# KiCad board pi50.kicad_pcb
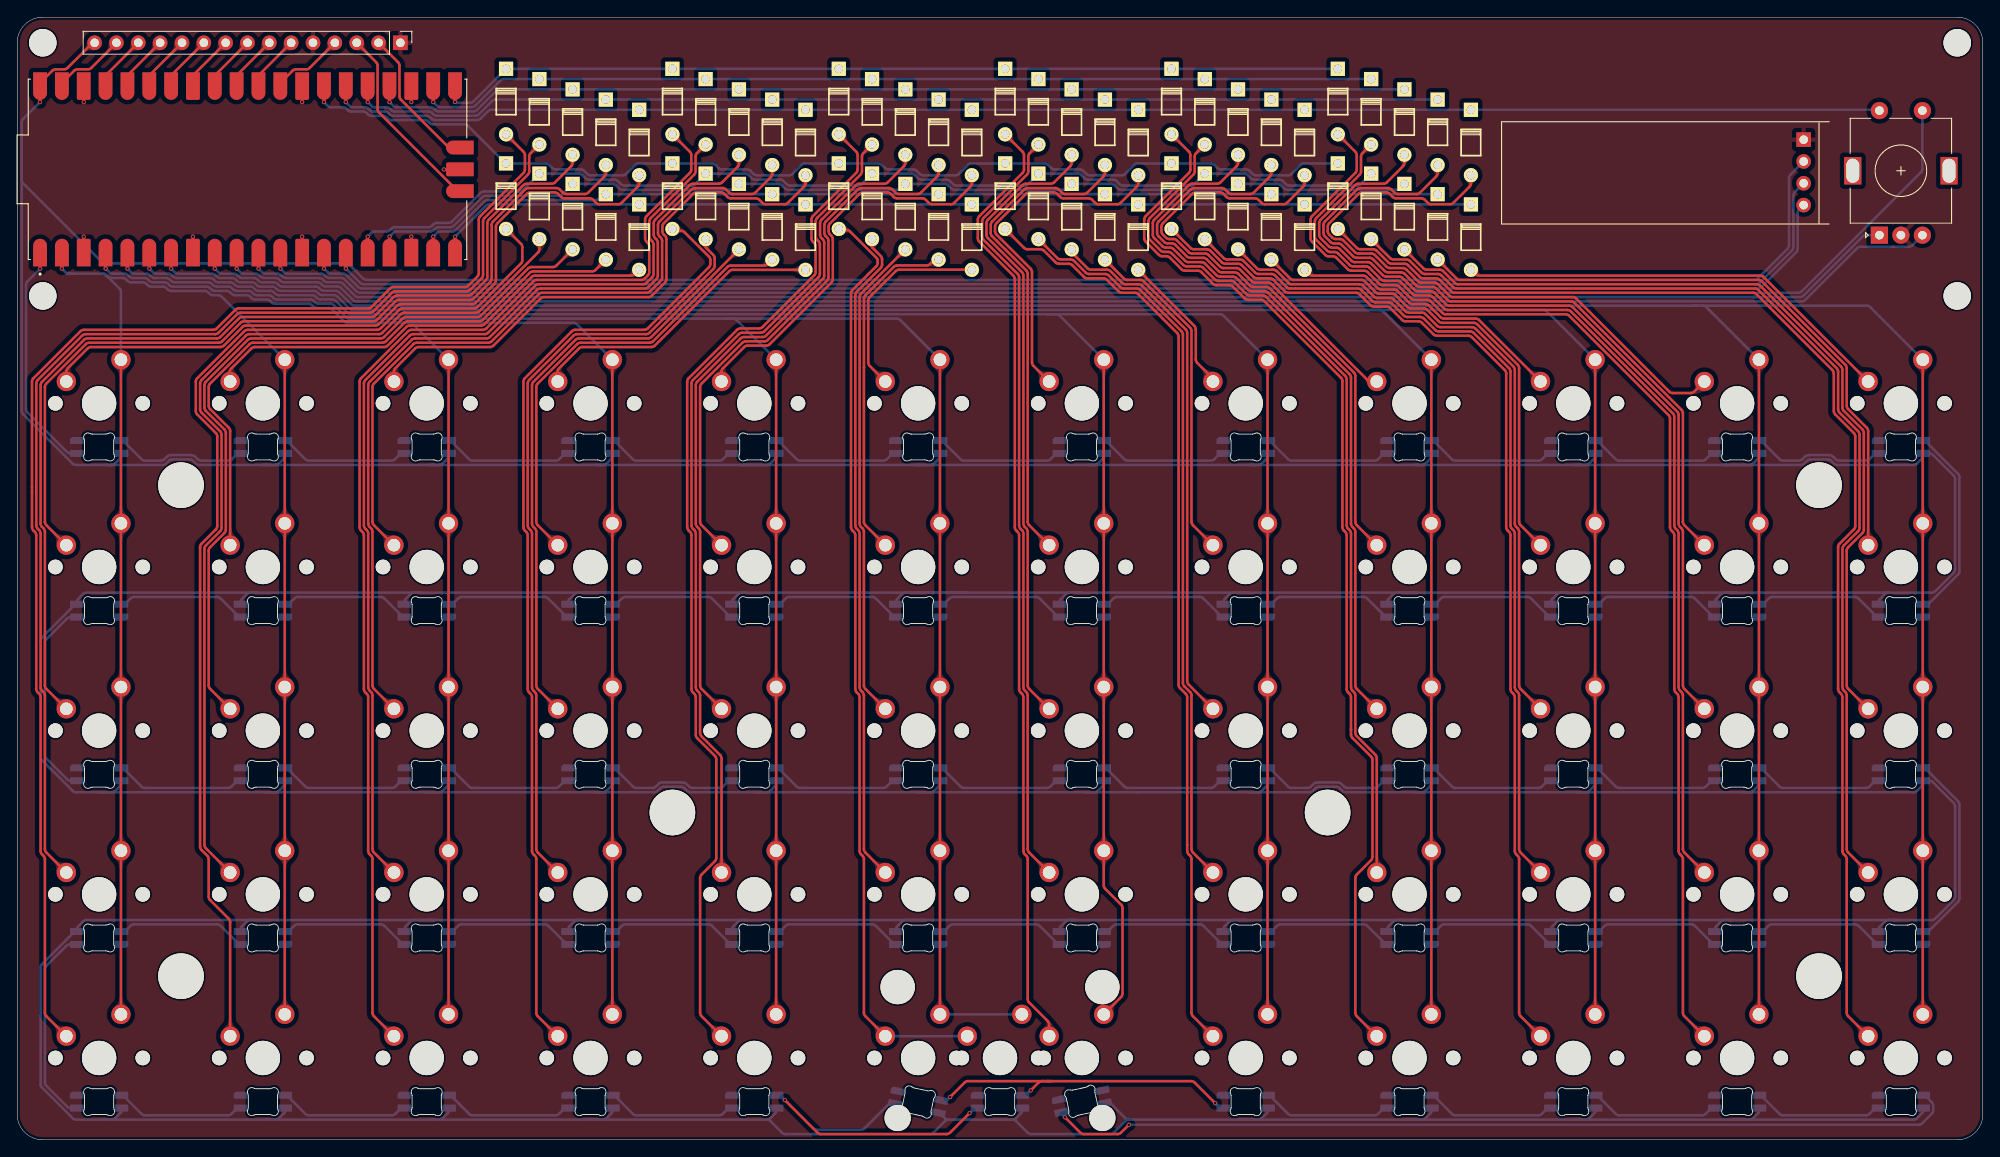
[diagram p0: board, top side]
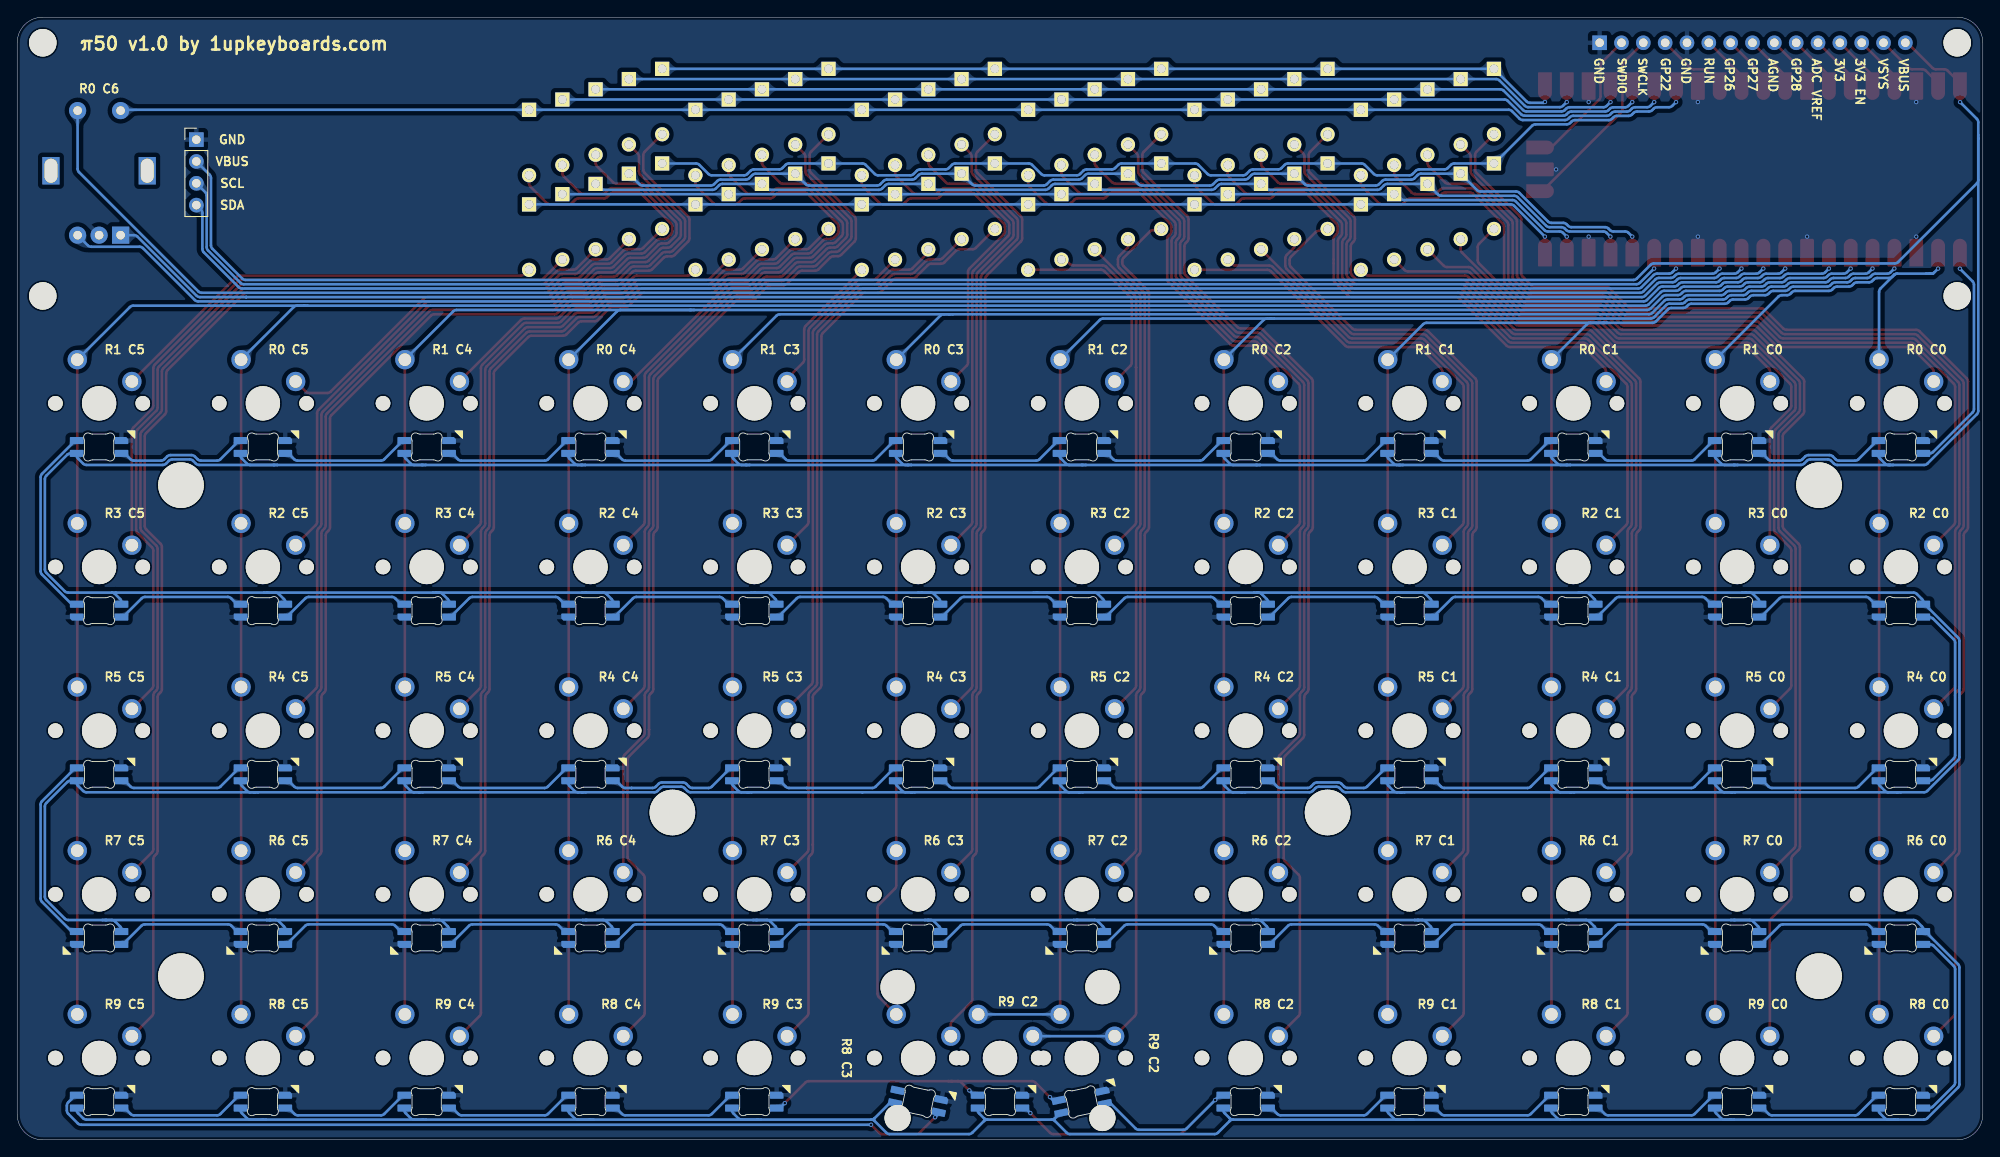
[diagram p1: board, bottom side, seen from below]

Outline 228.6 x 130.67 mm; copper layers: Top (plane), Bottom (plane). Coordinates in mm from the lower left corner of the outline.
Outline path: 0,127.69 arc(0.87,129.8) 2.98,130.67 225.62,130.67 arc(227.73,129.8) 228.6,127.69 228.6,2.98 arc(227.73,0.87) 225.62,0 2.98,0 arc(0.87,0.87) 0,2.98 0,127.69
Stack: Top 0.035mm / dielectric 1.51mm FR4 er 4.5 / Bottom 0.035mm

## Placement (name value [footprint] x y rotation side)
D1  D  [Diode No Label]  72.33 116.09 90 top
D2  D  [Diode No Label]  91.68 116.09 90 top
D3  D  [Diode No Label]  111.03 116.09 90 top
D4  D  [Diode No Label]  130.37 116.09 90 top
D5  D  [Diode No Label]  149.72 116.09 90 top
D6  D  [Diode No Label]  169.07 116.09 90 top
D7  D  [Diode No Label]  72.33 105.07 90 top
D8  D  [Diode No Label]  91.68 105.07 90 top
D9  D  [Diode No Label]  111.03 105.07 90 top
D10  D  [Diode No Label]  130.37 105.07 90 top
D11  D  [Diode No Label]  149.72 105.07 90 top
D12  D  [Diode No Label]  169.07 105.07 90 top
D13  D  [Diode No Label]  68.46 117.28 90 top
D14  D  [Diode No Label]  87.81 117.28 90 top
D15  D  [Diode No Label]  107.16 117.28 90 top
D16  D  [Diode No Label]  126.5 117.28 90 top
D17  D  [Diode No Label]  145.85 117.28 90 top
D18  D  [Diode No Label]  165.2 117.28 90 top
D19  D  [Diode No Label]  68.46 106.26 90 top
D20  D  [Diode No Label]  87.81 106.26 90 top
D21  D  [Diode No Label]  107.16 106.26 90 top
D22  D  [Diode No Label]  126.5 106.26 90 top
D23  D  [Diode No Label]  145.85 106.26 90 top
D24  D  [Diode No Label]  165.2 106.26 90 top
D25  D  [Diode No Label]  64.59 118.47 90 top
D26  D  [Diode No Label]  83.94 118.47 90 top
D27  D  [Diode No Label]  103.29 118.47 90 top
D28  D  [Diode No Label]  122.63 118.47 90 top
D29  D  [Diode No Label]  141.98 118.47 90 top
D30  D  [Diode No Label]  161.33 118.47 90 top
D31  D  [Diode No Label]  64.59 107.45 90 top
D32  D  [Diode No Label]  83.94 107.45 90 top
D33  D  [Diode No Label]  103.29 107.45 90 top
D34  D  [Diode No Label]  122.63 107.45 90 top
D35  D  [Diode No Label]  141.98 107.45 90 top
D36  D  [Diode No Label]  161.33 107.45 90 top
D37  D  [Diode No Label]  60.72 119.66 90 top
D38  D  [Diode No Label]  80.07 119.66 90 top
D39  D  [Diode No Label]  99.42 119.66 90 top
D40  D  [Diode No Label]  118.76 119.66 90 top
D41  D  [Diode No Label]  138.11 119.66 90 top
D42  D  [Diode No Label]  157.46 119.66 90 top
D43  D  [Diode No Label]  60.72 108.64 90 top
D44  D  [Diode No Label]  80.07 108.64 90 top
D45  D  [Diode No Label]  99.42 108.64 90 top
D46  D  [Diode No Label]  118.76 108.64 90 top
D47  D  [Diode No Label]  138.11 108.64 90 top
D48  D  [Diode No Label]  157.46 108.64 90 top
D49  D  [Diode No Label]  56.85 120.85 90 top
D50  D  [Diode No Label]  76.2 120.85 90 top
D51  D  [Diode No Label]  95.55 120.85 90 top
D52  D  [Diode No Label]  114.9 120.85 90 top
D53  D  [Diode No Label]  134.24 120.85 90 top
D54  D  [Diode No Label]  153.59 120.85 90 top
D55  D  [Diode No Label]  56.85 109.83 90 top
D56  D  [Diode No Label]  76.2 109.83 90 top
D57  D  [Diode No Label]  95.55 109.83 90 top
D58  D  [Diode No Label]  114.9 109.83 90 top
D59  D  [Diode No Label]  134.24 109.83 90 top
D60  D  [Diode No Label]  153.59 109.83 90 top
D61  SK6812MINI-E  [MX_SK6812MINI-E RL no keepout no via]  9.52 85.73 0 top
D62  SK6812MINI-E  [MX_SK6812MINI-E RL no keepout no via]  28.57 85.73 0 top
D63  SK6812MINI-E  [MX_SK6812MINI-E RL no keepout no via]  47.62 85.73 0 top
D64  SK6812MINI-E  [MX_SK6812MINI-E RL no keepout no via]  66.67 85.73 0 top
D65  SK6812MINI-E  [MX_SK6812MINI-E RL no keepout no via]  85.72 85.73 0 top
D66  SK6812MINI-E  [MX_SK6812MINI-E RL no keepout no via]  104.77 85.73 0 top
D67  SK6812MINI-E  [MX_SK6812MINI-E RL no keepout no via]  123.82 85.73 0 top
D68  SK6812MINI-E  [MX_SK6812MINI-E RL no keepout no via]  142.87 85.73 0 top
D69  SK6812MINI-E  [MX_SK6812MINI-E RL no keepout no via]  161.92 85.73 0 top
D70  SK6812MINI-E  [MX_SK6812MINI-E RL no keepout no via]  180.97 85.73 0 top
D71  SK6812MINI-E  [MX_SK6812MINI-E RL no keepout no via]  200.02 85.73 0 top
D72  SK6812MINI-E  [MX_SK6812MINI-E RL no keepout no via]  219.07 85.73 0 top
D73  SK6812MINI-E  [MX_SK6812MINI-E LR no keepout no via]  9.52 66.68 0 top
D74  SK6812MINI-E  [MX_SK6812MINI-E LR no keepout no via]  28.57 66.68 0 top
D75  SK6812MINI-E  [MX_SK6812MINI-E LR no keepout no via]  47.62 66.68 0 top
D76  SK6812MINI-E  [MX_SK6812MINI-E LR no keepout no via]  66.67 66.68 0 top
D77  SK6812MINI-E  [MX_SK6812MINI-E LR no keepout no via]  85.72 66.68 0 top
D78  SK6812MINI-E  [MX_SK6812MINI-E LR no keepout no via]  104.77 66.68 0 top
D79  SK6812MINI-E  [MX_SK6812MINI-E LR no keepout no via]  123.82 66.68 0 top
D80  SK6812MINI-E  [MX_SK6812MINI-E LR no keepout no via]  142.87 66.68 0 top
D81  SK6812MINI-E  [MX_SK6812MINI-E LR no keepout no via]  161.92 66.68 0 top
D82  SK6812MINI-E  [MX_SK6812MINI-E LR no keepout no via]  180.97 66.68 0 top
D83  SK6812MINI-E  [MX_SK6812MINI-E LR no keepout no via]  200.02 66.68 0 top
D84  SK6812MINI-E  [MX_SK6812MINI-E LR no keepout no via]  219.07 66.68 0 top
D85  SK6812MINI-E  [MX_SK6812MINI-E RL no keepout no via]  9.52 47.63 0 top
D86  SK6812MINI-E  [MX_SK6812MINI-E RL no keepout no via]  28.57 47.63 0 top
D87  SK6812MINI-E  [MX_SK6812MINI-E RL no keepout no via]  47.62 47.63 0 top
D88  SK6812MINI-E  [MX_SK6812MINI-E RL no keepout no via]  66.67 47.63 0 top
D89  SK6812MINI-E  [MX_SK6812MINI-E RL no keepout no via]  85.72 47.63 0 top
D90  SK6812MINI-E  [MX_SK6812MINI-E RL no keepout no via]  104.77 47.63 0 top
D91  SK6812MINI-E  [MX_SK6812MINI-E RL no keepout no via]  123.82 47.63 0 top
D92  SK6812MINI-E  [MX_SK6812MINI-E RL no keepout no via]  142.87 47.63 0 top
D93  SK6812MINI-E  [MX_SK6812MINI-E RL no keepout no via]  161.92 47.63 0 top
D94  SK6812MINI-E  [MX_SK6812MINI-E RL no keepout no via]  180.97 47.63 0 top
D95  SK6812MINI-E  [MX_SK6812MINI-E RL no keepout no via]  200.02 47.63 0 top
D96  SK6812MINI-E  [MX_SK6812MINI-E RL no keepout no via]  219.07 47.63 0 top
D97  SK6812MINI-E  [MX_SK6812MINI-E LR no keepout no via]  9.53 28.57 0 top
D98  SK6812MINI-E  [MX_SK6812MINI-E LR no keepout no via]  28.58 28.57 0 top
D99  SK6812MINI-E  [MX_SK6812MINI-E LR no keepout no via]  47.63 28.57 0 top
D100  SK6812MINI-E  [MX_SK6812MINI-E LR no keepout no via]  66.68 28.57 0 top
D101  SK6812MINI-E  [MX_SK6812MINI-E LR no keepout no via]  85.73 28.57 0 top
D102  SK6812MINI-E  [MX_SK6812MINI-E LR no keepout no via]  104.78 28.57 0 top
D103  SK6812MINI-E  [MX_SK6812MINI-E LR no keepout no via]  123.83 28.57 0 top
D104  SK6812MINI-E  [MX_SK6812MINI-E LR no keepout no via]  142.88 28.57 0 top
D105  SK6812MINI-E  [MX_SK6812MINI-E LR no keepout no via]  161.93 28.57 0 top
D106  SK6812MINI-E  [MX_SK6812MINI-E LR no keepout no via]  180.98 28.57 0 top
D107  SK6812MINI-E  [MX_SK6812MINI-E LR no keepout no via]  200.03 28.57 0 top
D108  SK6812MINI-E  [MX_SK6812MINI-E LR no keepout no via]  219.08 28.57 0 top
D109  SK6812MINI-E  [MX_SK6812MINI-E RL no keepout no via]  9.52 9.52 0 top
D110  SK6812MINI-E  [MX_SK6812MINI-E RL no keepout no via]  28.57 9.52 0 top
D111  SK6812MINI-E  [MX_SK6812MINI-E RL no keepout no via]  47.62 9.52 0 top
D112  SK6812MINI-E  [MX_SK6812MINI-E RL no keepout no via]  66.67 9.52 0 top
D113  SK6812MINI-E  [MX_SK6812MINI-E RL no keepout no via]  85.72 9.52 0 top
D114  SK6812MINI-E  [MX_SK6812MINI-E RL no keepout no via]  114.3 9.52 0 top
D115  SK6812MINI-E  [MX_SK6812MINI-E RL no keepout no via]  142.87 9.52 0 top
D116  SK6812MINI-E  [MX_SK6812MINI-E RL no keepout no via]  161.92 9.52 0 top
D117  SK6812MINI-E  [MX_SK6812MINI-E RL no keepout no via]  180.97 9.52 0 top
D118  SK6812MINI-E  [MX_SK6812MINI-E RL no keepout no via]  200.02 9.52 0 top
D119  SK6812MINI-E  [MX_SK6812MINI-E RL no keepout no via]  219.07 9.52 0 top
D120  SK6812MINI-E  [MX_SK6812MINI-E RL no keepout no via#3]  123.83 9.52 0 top
D121  SK6812MINI-E  [MX_SK6812MINI-E RL no keepout no via#2]  104.78 9.52 0 top
G***  LOGO  [1up Logo 10mm]  33.13 114 180 bottom
H1  MountingHole  [MountingHole_3.2mm_M3]  2.98 127.69 0 top
H2  MountingHole  [MountingHole_3.2mm_M3]  225.62 127.69 0 top
H3  MountingHole  [MountingHole_3.2mm_M3]  2.98 98.23 0 top
H4  MountingHole  [MountingHole_3.2mm_M3]  225.62 98.23 0 top
H5  MountingHole  [MountingHole_5.3mm_M5]  19.05 76.2 0 top
H6  MountingHole  [MountingHole_5.3mm_M5]  209.55 76.2 0 top
H7  MountingHole  [MountingHole_5.3mm_M5]  76.2 38.1 0 top
H8  MountingHole  [MountingHole_5.3mm_M5]  152.4 38.1 0 top
H9  MountingHole  [MountingHole_5.3mm_M5]  19.05 19.05 0 top
H10  MountingHole  [MountingHole_5.3mm_M5]  209.55 19.05 0 top
J1  Conn_01x15_Female  [PinHeader_1x15_P2.54mm_Vertical]  44.56 127.69 270 top
J2  I2C Display  [PinHeader_1x04_P2.54mm_Vertical]  207.76 116.42 180 bottom
K1  KEYSW  [MXOnly-1U-NoLED_tight]  9.52 85.73 0 top
K2  KEYSW  [MXOnly-1U-NoLED_tight]  28.57 85.73 0 top
K3  KEYSW  [MXOnly-1U-NoLED_tight]  47.62 85.73 0 top
K4  KEYSW  [MXOnly-1U-NoLED_tight]  66.67 85.73 0 top
K5  KEYSW  [MXOnly-1U-NoLED_tight]  85.72 85.73 0 top
K6  KEYSW  [MXOnly-1U-NoLED_tight]  104.77 85.73 0 top
K7  KEYSW  [MXOnly-1U-NoLED_tight]  123.82 85.73 0 top
K8  KEYSW  [MXOnly-1U-NoLED_tight]  142.87 85.73 0 top
K9  KEYSW  [MXOnly-1U-NoLED_tight]  161.92 85.73 0 top
K10  KEYSW  [MXOnly-1U-NoLED_tight]  180.97 85.73 0 top
K11  KEYSW  [MXOnly-1U-NoLED_tight]  200.02 85.73 0 top
K12  KEYSW  [MXOnly-1U-NoLED_tight]  219.07 85.73 0 top
K13  KEYSW  [MXOnly-1U-NoLED_tight]  9.52 66.68 0 top
K14  KEYSW  [MXOnly-1U-NoLED_tight]  28.57 66.68 0 top
K15  KEYSW  [MXOnly-1U-NoLED_tight]  47.62 66.68 0 top
K16  KEYSW  [MXOnly-1U-NoLED_tight]  66.67 66.68 0 top
K17  KEYSW  [MXOnly-1U-NoLED_tight]  85.72 66.68 0 top
K18  KEYSW  [MXOnly-1U-NoLED_tight]  104.77 66.68 0 top
K19  KEYSW  [MXOnly-1U-NoLED_tight]  123.82 66.68 0 top
K20  KEYSW  [MXOnly-1U-NoLED_tight]  142.87 66.68 0 top
K21  KEYSW  [MXOnly-1U-NoLED_tight]  161.92 66.68 0 top
K22  KEYSW  [MXOnly-1U-NoLED_tight]  180.97 66.68 0 top
K23  KEYSW  [MXOnly-1U-NoLED_tight]  200.02 66.68 0 top
K24  KEYSW  [MXOnly-1U-NoLED_tight]  219.07 66.68 0 top
K25  KEYSW  [MXOnly-1U-NoLED_tight]  9.52 47.63 0 top
K26  KEYSW  [MXOnly-1U-NoLED_tight]  28.57 47.63 0 top
K27  KEYSW  [MXOnly-1U-NoLED_tight]  47.62 47.63 0 top
K28  KEYSW  [MXOnly-1U-NoLED_tight]  66.67 47.63 0 top
K29  KEYSW  [MXOnly-1U-NoLED_tight]  85.72 47.63 0 top
K30  KEYSW  [MXOnly-1U-NoLED_tight]  104.77 47.63 0 top
K31  KEYSW  [MXOnly-1U-NoLED_tight]  123.82 47.63 0 top
K32  KEYSW  [MXOnly-1U-NoLED_tight]  142.87 47.63 0 top
K33  KEYSW  [MXOnly-1U-NoLED_tight]  161.92 47.63 0 top
K34  KEYSW  [MXOnly-1U-NoLED_tight]  180.97 47.63 0 top
K35  KEYSW  [MXOnly-1U-NoLED_tight]  200.02 47.63 0 top
K36  KEYSW  [MXOnly-1U-NoLED_tight]  219.07 47.63 0 top
K37  KEYSW  [MXOnly-1U-NoLED_tight]  9.53 28.57 0 top
K38  KEYSW  [MXOnly-1U-NoLED_tight]  28.58 28.57 0 top
K39  KEYSW  [MXOnly-1U-NoLED_tight]  47.63 28.57 0 top
K40  KEYSW  [MXOnly-1U-NoLED_tight]  66.68 28.57 0 top
K41  KEYSW  [MXOnly-1U-NoLED_tight]  85.73 28.57 0 top
K42  KEYSW  [MXOnly-1U-NoLED_tight]  104.78 28.57 0 top
K43  KEYSW  [MXOnly-1U-NoLED_tight]  123.83 28.57 0 top
K44  KEYSW  [MXOnly-1U-NoLED_tight]  142.88 28.57 0 top
K45  KEYSW  [MXOnly-1U-NoLED_tight]  161.93 28.57 0 top
K46  KEYSW  [MXOnly-1U-NoLED_tight]  180.98 28.57 0 top
K47  KEYSW  [MXOnly-1U-NoLED_tight]  200.03 28.57 0 top
K48  KEYSW  [MXOnly-1U-NoLED_tight]  219.08 28.57 0 top
K49  KEYSW  [MXOnly-1U-NoLED_tight]  9.52 9.52 0 top
K50  KEYSW  [MXOnly-1U-NoLED_tight]  28.57 9.52 0 top
K51  KEYSW  [MXOnly-1U-NoLED_tight]  47.62 9.52 0 top
K52  KEYSW  [MXOnly-1U-NoLED_tight]  66.67 9.52 0 top
K53  KEYSW  [MXOnly-1U-NoLED_tight]  85.72 9.52 0 top
K54  KEYSW  [MXOnly-1U-NoLED_tight]  104.78 9.52 0 top
K55  KEYSW  [MXOnly-1U-NoLED_tight]  123.83 9.52 0 top
K56  KEYSW  [MXOnly-1U-NoLED_tight]  142.87 9.52 0 top
K57  KEYSW  [MXOnly-1U-NoLED_tight]  161.92 9.52 0 top
K58  KEYSW  [MXOnly-1U-NoLED_tight]  180.97 9.52 0 top
K59  KEYSW  [MXOnly-1U-NoLED_tight]  200.02 9.52 0 top
K60  KEYSW  [MXOnly-1U-NoLED_tight]  219.07 9.52 0 top
K61  KEYSW  [MXOnly-2U-ReversedStabilizers-NoLED_tight]  114.3 9.52 0 top
SW1  Rotary_Encoder_Switch  [RotaryEncoder_EC11]  219.07 112.8 90 top
U1  SC0915  [MODULE_SC0915]  26.79 112.96 90 top

## Library data of the parts
D61-D121 = -: Field4: 1
U1 = -: MANUFACTURER: Raspberry Pi; MAXIMUM_PACKAGE_HEIGHT: 3.73mm; PARTREV: 1.6; STANDARD: Manufacturer Recommendations

## Footprints (pads in the part's own frame, mm; a bottom-side part is the same pattern mirrored in y, then rotated)
Diode No Label
  rect 1.651x1.651 hole 0.991: 1(3.81,0)
  round 1.651 hole 0.991: 2(-3.81,0)
MODULE_SC0915
  custom 3.21x1.61 smd: 1(-9.69,24.13) 2(-9.69,21.59) 3(-9.69,19.05) 4(-9.69,16.51) 5(-9.69,13.97) 6(-9.69,11.43) 7(-9.69,8.89) 8(-9.69,6.35) 9(-9.69,3.81) 10(-9.69,1.27) 11(-9.69,-1.27) 12(-9.69,-3.81) 13(-9.69,-6.35) 14(-9.69,-8.89) 15(-9.69,-11.43) 16(-9.69,-13.97) 17(-9.69,-16.51) 18(-9.69,-19.05) 19(-9.69,-21.59) 20(-9.69,-24.13) 21(9.69,-24.13) 22(9.69,-21.59) 23(9.69,-19.05) 24(9.69,-16.51) 25(9.69,-13.97) 26(9.69,-11.43) 27(9.69,-8.89) 28(9.69,-6.35) 29(9.69,-3.81) 30(9.69,-1.27) 31(9.69,1.27) 32(9.69,3.81) 33(9.69,6.35) 34(9.69,8.89) 35(9.69,11.43) 36(9.69,13.97) 37(9.69,16.51) 38(9.69,19.05) 39(9.69,21.59) 40(9.69,24.13)
  custom 1.61x3.21 smd: D1(-2.54,-24.7) D2(0,-24.7) D3(2.54,-24.7)
MountingHole_3.2mm_M3
  round 3.2 hole 3.2 unplated: (0,0)
MountingHole_5.3mm_M5
  round 5.3 hole 5.3 unplated: (0,0)
MX_SK6812MINI-E LR no keepout no via
  rrect 1.6x0.82 smd far side: 1(-2.6,-4.33) 2(-2.6,-5.83) 3(2.6,-5.83) 4(2.6,-4.33)
MX_SK6812MINI-E RL no keepout no via
  rrect 1.6x0.82 smd far side: 1(2.6,-5.83) 2(2.6,-4.33) 3(-2.6,-4.33) 4(-2.6,-5.83)
MX_SK6812MINI-E RL no keepout no via#2
  rrect 0.82x1.6 smd far side rot 78: 1(2.383,-6.395) 2(2.695,-4.928) 3(-2.392,-3.847) 4(-2.703,-5.314)
MX_SK6812MINI-E RL no keepout no via#3
  rrect 0.82x1.6 smd far side rot 102: 1(2.695,-5.232) 2(2.383,-3.765) 3(-2.703,-4.846) 4(-2.392,-6.313)
MXOnly-1U-NoLED_tight
  round 1.7 hole 1.7 unplated: (-5.08,0) (5.08,0)
  round 3.988 hole 3.988 unplated: (0,0)
  round 2.25 hole 1.47: 1(-3.81,2.54) 2(2.54,5.08)
MXOnly-2U-ReversedStabilizers-NoLED_tight
  round 3.988 hole 3.988 unplated: (-11.906,8.255) (0,0) (11.906,8.255)
  round 3.048 hole 3.048 unplated: (-11.906,-6.985) (11.906,-6.985)
  round 1.7 hole 1.7 unplated: (-5.08,0) (5.08,0)
  round 2.25 hole 1.47: 1(-3.81,2.54) 2(2.54,5.08)
PinHeader_1x04_P2.54mm_Vertical
  rect 1.7x1.7 hole 1: 1(0,0)
  oval 1.7x1.7 hole 1: 2(0,-2.54) 3(0,-5.08) 4(0,-7.62)
PinHeader_1x15_P2.54mm_Vertical
  rect 1.7x1.7 hole 1: 1(0,0)
  oval 1.7x1.7 hole 1: 2(0,-2.54) 3(0,-5.08) 4(0,-7.62) 5(0,-10.16) 6(0,-12.7) 7(0,-15.24) 8(0,-17.78) 9(0,-20.32) 10(0,-22.86) 11(0,-25.4) 12(0,-27.94) 13(0,-30.48) 14(0,-33.02) 15(0,-35.56)
RotaryEncoder_EC11
  rect 3.2x2 hole 2.8x1.5 unplated: (0,5.6) (0,-5.6)
  rect 2x2 hole 1: A(-7.5,2.5)
  round 2 hole 1: B(-7.5,-2.5) C(-7.5,0) S1(7,-2.5) S2(7,2.5)

## Nets
3V3: J1.12 U1.36
GND: D61.3 D62.3 D63.3 D64.3 D65.3 D66.3 D67.3 D68.3 D69.3 D70.3 D71.3 D72.3 D73.3 D74.3 D75.3 D76.3 D77.3 D78.3 D79.3 D80.3 D81.3 D82.3 D83.3 D84.3 D85.3 D86.3 D87.3 D88.3 D89.3 D90.3 D91.3 D92.3 D93.3 D94.3 D95.3 D96.3 D97.3 D98.3 D99.3 D100.3 D101.3 D102.3 D103.3 D104.3 D105.3 D106.3 D107.3 D108.3 D109.3 D110.3 D111.3 D112.3 D113.3 D114.3 D115.3 D116.3 D117.3 D118.3 D119.3 D120.3 D121.3 J1.1 J1.5 J2.1 SW1.C U1.3 U1.8 U1.13 U1.18 U1.23 U1.28 U1.38 U1.D2
VBUS: D61.1 D62.1 D63.1 D64.1 D65.1 D66.1 D67.1 D68.1 D69.1 D70.1 D71.1 D72.1 D73.1 D74.1 D75.1 D76.1 D77.1 D78.1 D79.1 D80.1 D81.1 D82.1 D83.1 D84.1 D85.1 D86.1 D87.1 D88.1 D89.1 D90.1 D91.1 D92.1 D93.1 D94.1 D95.1 D96.1 D97.1 D98.1 D99.1 D100.1 D101.1 D102.1 D103.1 D104.1 D105.1 D106.1 D107.1 D108.1 D109.1 D110.1 D111.1 D112.1 D113.1 D114.1 D115.1 D116.1 D117.1 D118.1 D119.1 D120.1 D121.1 J1.15 J2.2 U1.40
C0: K1.2 K2.2 K13.2 K14.2 K25.2 K26.2 K37.2 K38.2 K49.2 K50.2 U1.2
C1: K3.2 K4.2 K15.2 K16.2 K27.2 K28.2 K39.2 K40.2 K51.2 K52.2 U1.4
C2: K5.2 K6.2 K17.2 K18.2 K29.2 K30.2 K41.2 K42.2 K53.2 K54.2 K61.2 U1.5
C3: K7.2 K8.2 K19.2 K20.2 K31.2 K32.2 K43.2 K44.2 K55.2 K56.2 U1.6
C4: K9.2 K10.2 K21.2 K22.2 K33.2 K34.2 K45.2 K46.2 K57.2 K58.2 U1.7
C5: K11.2 K12.2 K23.2 K24.2 K35.2 K36.2 K47.2 K48.2 K59.2 K60.2 U1.9
C6: SW1.S1 U1.12
J2: J1.2 U1.D3
J3: J1.3 U1.D1
J4: J1.4 U1.29
J6: J1.6 U1.30
J7: J1.7 U1.31
J8: J1.8 U1.32
J9: J1.9 U1.33
J10: J1.10 U1.34
J11: J1.11 U1.35
J13: J1.13 U1.37
J14: J1.14 U1.39
R0: D1.1 D2.1 D3.1 D4.1 D5.1 D6.1 SW1.S2 U1.26
R1: D7.1 D8.1 D9.1 D10.1 D11.1 D12.1 U1.20
R2: D13.1 D14.1 D15.1 D16.1 D17.1 D18.1 U1.25
R3: D19.1 D20.1 D21.1 D22.1 D23.1 D24.1 U1.19
R4: D25.1 D26.1 D27.1 D28.1 D29.1 D30.1 U1.24
R5: D31.1 D32.1 D33.1 D34.1 D35.1 D36.1 U1.17
R6: D37.1 D38.1 D39.1 D40.1 D41.1 D42.1 U1.22
R7: D43.1 D44.1 D45.1 D46.1 D47.1 D48.1 U1.16
R8: D49.1 D50.1 D51.1 D52.1 D53.1 D54.1 U1.21
R9: D55.1 D56.1 D57.1 D58.1 D59.1 D60.1 U1.27
REa: SW1.A U1.11
REb: SW1.B U1.10
RGB: D61.4 U1.1
SCL: J2.3 U1.15
SDA: J2.4 U1.14
Net-(D1-Pad2): D1.2 K1.1
Net-(D2-Pad2): D2.2 K3.1
Net-(D3-Pad2): D3.2 K5.1
Net-(D4-Pad2): D4.2 K7.1
Net-(D5-Pad2): D5.2 K9.1
Net-(D6-Pad2): D6.2 K11.1
Net-(D7-Pad2): D7.2 K2.1
Net-(D8-Pad2): D8.2 K4.1
Net-(D9-Pad2): D9.2 K6.1
Net-(D10-Pad2): D10.2 K8.1
Net-(D11-Pad2): D11.2 K10.1
Net-(D12-Pad2): D12.2 K12.1
Net-(D13-Pad2): D13.2 K13.1
Net-(D14-Pad2): D14.2 K15.1
Net-(D15-Pad2): D15.2 K17.1
Net-(D16-Pad2): D16.2 K19.1
Net-(D17-Pad2): D17.2 K21.1
Net-(D18-Pad2): D18.2 K23.1
Net-(D19-Pad2): D19.2 K14.1
Net-(D20-Pad2): D20.2 K16.1
Net-(D21-Pad2): D21.2 K18.1
Net-(D22-Pad2): D22.2 K20.1
Net-(D23-Pad2): D23.2 K22.1
Net-(D24-Pad2): D24.2 K24.1
Net-(D25-Pad2): D25.2 K25.1
Net-(D26-Pad2): D26.2 K27.1
Net-(D27-Pad2): D27.2 K29.1
Net-(D28-Pad2): D28.2 K31.1
Net-(D29-Pad2): D29.2 K33.1
Net-(D30-Pad2): D30.2 K35.1
Net-(D31-Pad2): D31.2 K26.1
Net-(D32-Pad2): D32.2 K28.1
Net-(D33-Pad2): D33.2 K30.1
Net-(D34-Pad2): D34.2 K32.1
Net-(D35-Pad2): D35.2 K34.1
Net-(D36-Pad2): D36.2 K36.1
Net-(D37-Pad2): D37.2 K37.1
Net-(D38-Pad2): D38.2 K39.1
Net-(D39-Pad2): D39.2 K41.1
Net-(D40-Pad2): D40.2 K43.1
Net-(D41-Pad2): D41.2 K45.1
Net-(D42-Pad2): D42.2 K47.1
Net-(D43-Pad2): D43.2 K38.1
Net-(D44-Pad2): D44.2 K40.1
Net-(D45-Pad2): D45.2 K42.1
Net-(D46-Pad2): D46.2 K44.1
Net-(D47-Pad2): D47.2 K46.1
Net-(D48-Pad2): D48.2 K48.1
Net-(D49-Pad2): D49.2 K49.1
Net-(D50-Pad2): D50.2 K51.1
Net-(D51-Pad2): D51.2 K53.1
Net-(D52-Pad2): D52.2 K55.1
Net-(D53-Pad2): D53.2 K57.1
Net-(D54-Pad2): D54.2 K59.1
Net-(D55-Pad2): D55.2 K50.1
Net-(D56-Pad2): D56.2 K52.1
Net-(D57-Pad2): D57.2 K54.1 K61.1
Net-(D58-Pad2): D58.2 K56.1
Net-(D59-Pad2): D59.2 K58.1
Net-(D60-Pad2): D60.2 K60.1
Net-(D61-Pad2): D61.2 D62.4
Net-(D62-Pad2): D62.2 D63.4
Net-(D63-Pad2): D63.2 D64.4
Net-(D64-Pad2): D64.2 D65.4
Net-(D65-Pad2): D65.2 D66.4
Net-(D66-Pad2): D66.2 D67.4
Net-(D67-Pad2): D67.2 D68.4
Net-(D68-Pad2): D68.2 D69.4
Net-(D69-Pad2): D69.2 D70.4
Net-(D70-Pad2): D70.2 D71.4
Net-(D71-Pad2): D71.2 D72.4
Net-(D72-Pad2): D72.2 D84.4
Net-(D73-Pad2): D73.2 D85.4
Net-(D73-Pad4): D73.4 D74.2
Net-(D74-Pad4): D74.4 D75.2
Net-(D75-Pad4): D75.4 D76.2
Net-(D76-Pad4): D76.4 D77.2
Net-(D77-Pad4): D77.4 D78.2
Net-(D78-Pad4): D78.4 D79.2
Net-(D79-Pad4): D79.4 D80.2
Net-(D80-Pad4): D80.4 D81.2
Net-(D81-Pad4): D81.4 D82.2
Net-(D82-Pad4): D82.4 D83.2
Net-(D83-Pad4): D83.4 D84.2
Net-(D85-Pad2): D85.2 D86.4
Net-(D86-Pad2): D86.2 D87.4
Net-(D87-Pad2): D87.2 D88.4
Net-(D88-Pad2): D88.2 D89.4
Net-(D89-Pad2): D89.2 D90.4
Net-(D90-Pad2): D90.2 D91.4
Net-(D91-Pad2): D91.2 D92.4
Net-(D92-Pad2): D92.2 D93.4
Net-(D93-Pad2): D93.2 D94.4
Net-(D94-Pad2): D94.2 D95.4
Net-(D95-Pad2): D95.2 D96.4
Net-(D97-Pad4): D97.4 D98.2
Net-(D98-Pad4): D98.4 D99.2
Net-(D100-Pad2): D99.4 D100.2
Net-(D100-Pad4): D100.4 D101.2
Net-(D101-Pad4): D101.4 D102.2
Net-(D102-Pad4): D102.4 D103.2
Net-(D103-Pad4): D103.4 D104.2
Net-(D104-Pad4): D104.4 D105.2
Net-(D105-Pad4): D105.4 D106.2
Net-(D106-Pad4): D106.4 D107.2
Net-(D107-Pad4): D107.4 D108.2
Net-(D108-Pad4): D96.2 D108.4
Net-(D109-Pad2): D109.2 D110.4
Net-(D109-Pad4): D97.2 D109.4
Net-(D110-Pad2): D110.2 D111.4
Net-(D111-Pad2): D111.2 D112.4
Net-(D112-Pad2): D112.2 D113.4
Net-(D113-Pad2): D113.2 D114.4 D121.4
Net-(D114-Pad2): D114.2 D115.4 D121.2
Net-(D115-Pad2): D115.2 D116.4
Net-(D116-Pad2): D116.2 D117.4
Net-(D117-Pad2): D117.2 D118.4
Net-(D118-Pad2): D118.2 D119.4
Net-(D119-Pad2): D119.2 D120.4

Pads without a net: D120 2

## Via types
v1: diameter 0.5, hole 0.3, Top to Bottom, 38 vias
